# EAGLE board Mk4 Final a Panel score (EAGLE 9.0.1), part 12 of 24 (continued)
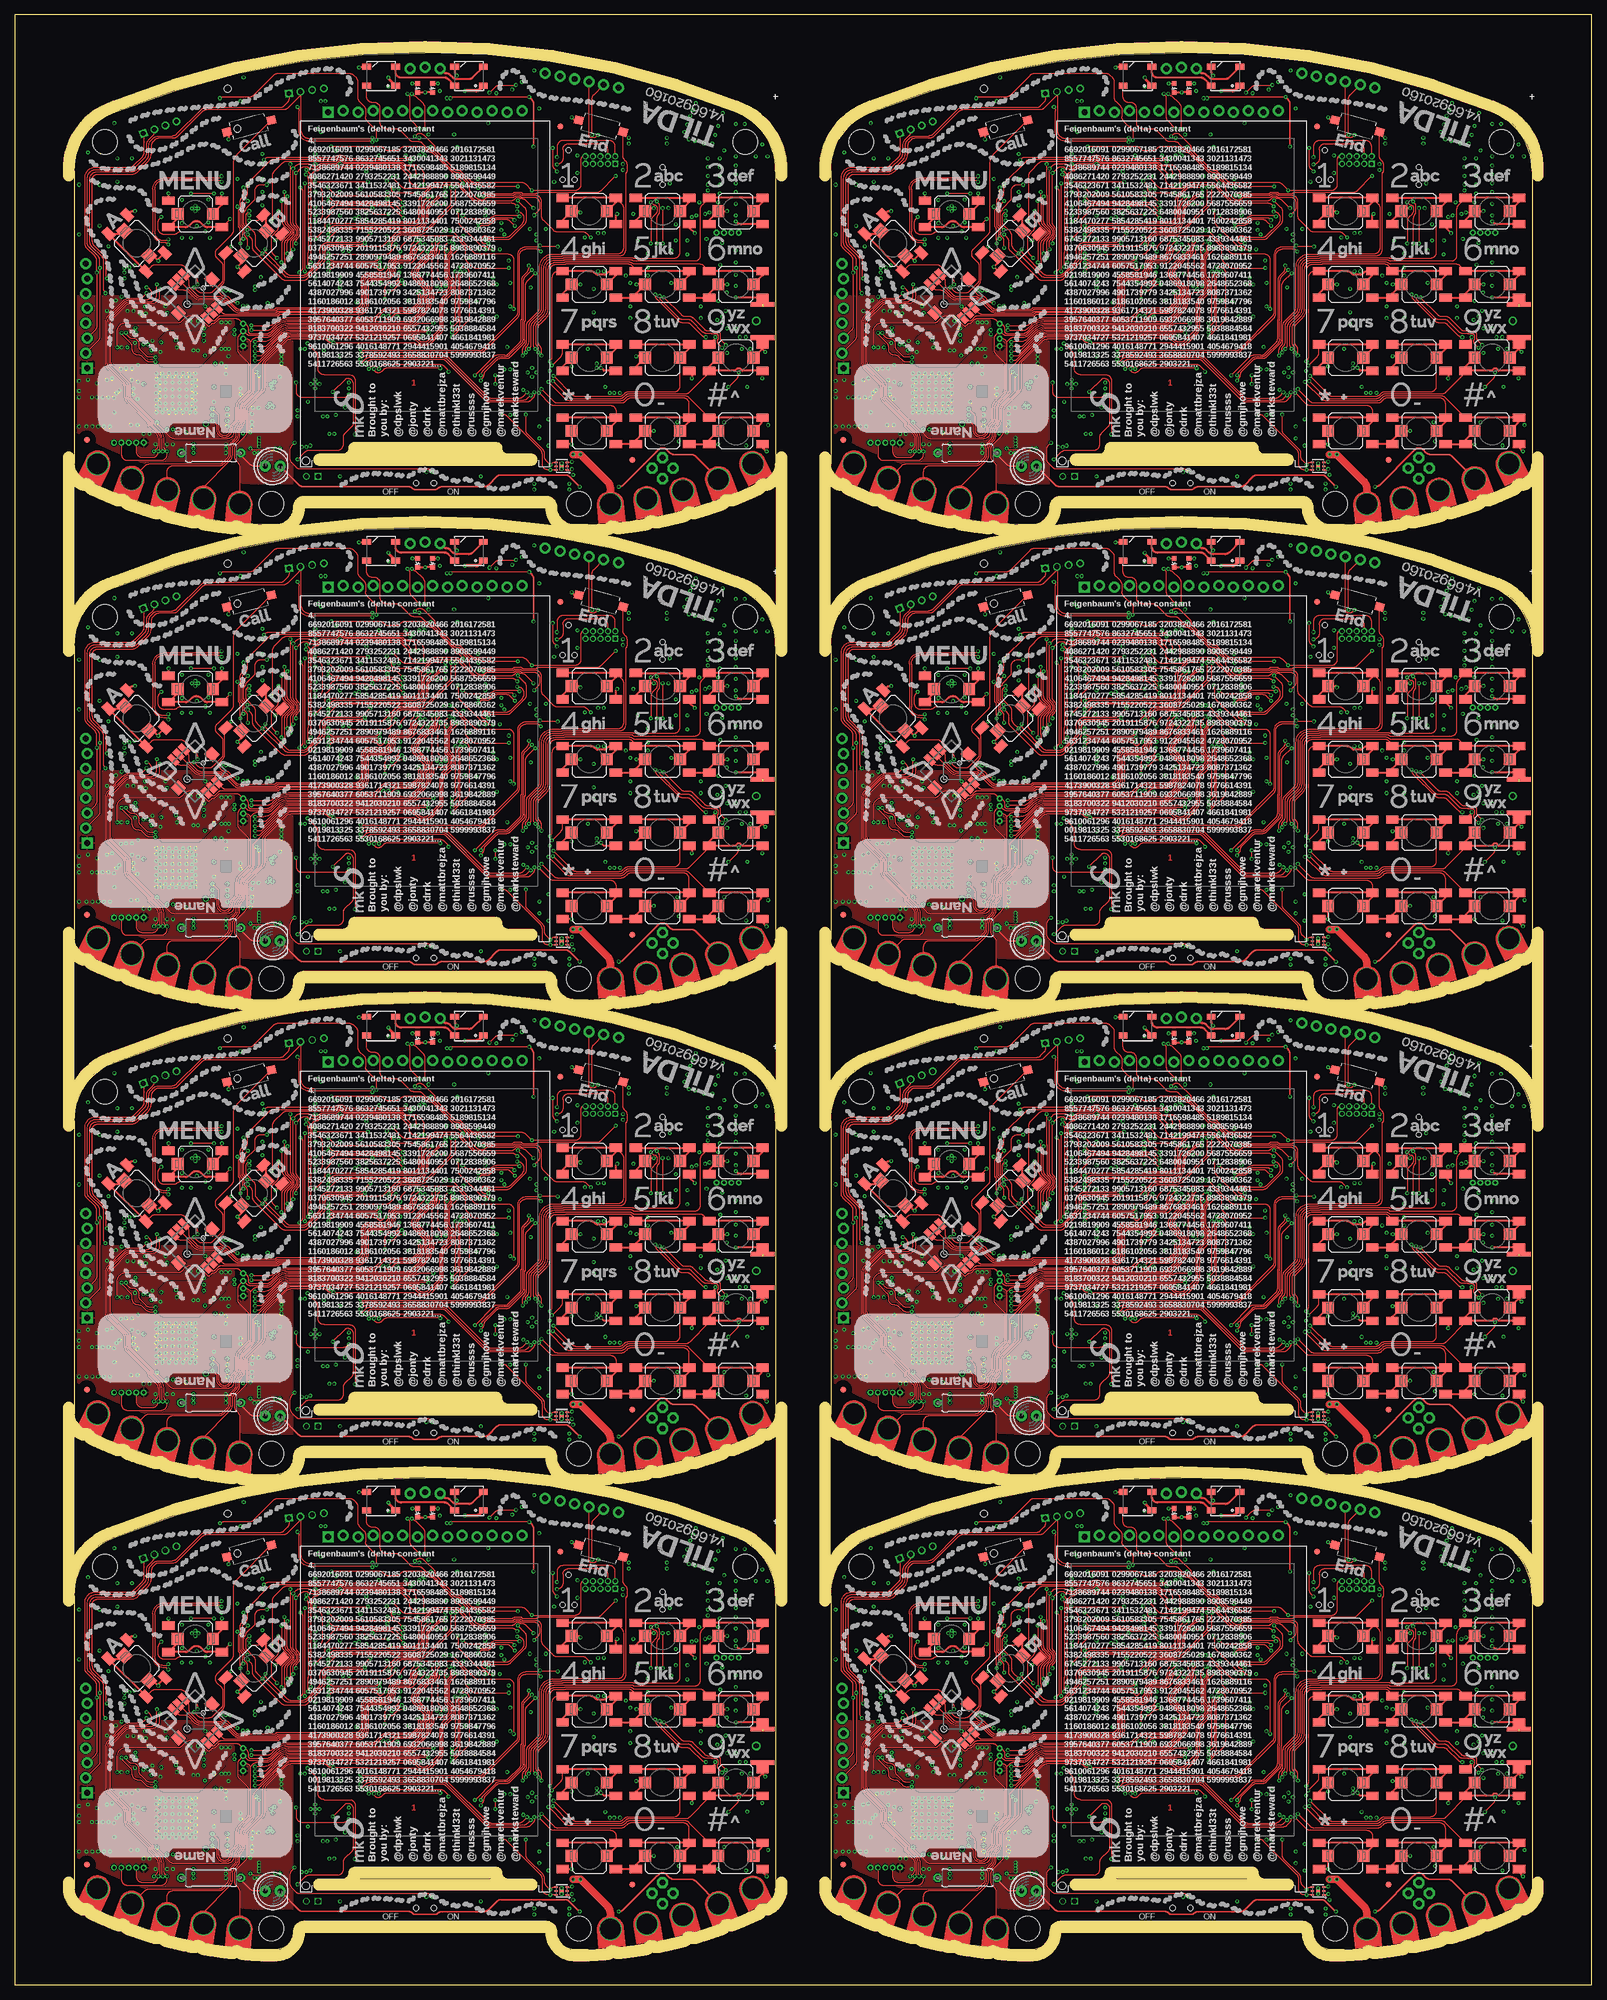
[diagram p0: board, top side]
## Tracks (layer width: path | path; a pad name or v marks a point on that pad's centre or on a via) (continued)
GND6  (via drill 0.3)  (1 unrouted)
  Top 0.15: IC124.3 94.3,259.65 94.25,259.6 IC124.2 | v93.3,258.5 IC124.PAD v93.3,259.5
  Top 0.2: 94.3,259.65 94.95,259.65 v95.05,259.75
  Top 0.3: S133.1 105.95,275.95 S133.A1 | S129.A1 93.45,275.95 S129.1 v95,276 | S130.A1 93.45,263 93.7,262.75 v95,262.75 S130.1 | S138.1 118.45,263.45 S138.A1 | S137.1 127.55,279.05 S137.A1 | 118.45,300.5 118.45,300.95 S135.1 v121.5,302.5 | 118.45,300.5 S135.A1 | S131.A1 105.95,300.95 S131.1 108,303 v109,303 | S127.A1 93.45,300.95 S127.1 96.25,302.5 v96.5,302.25 | S128.A1 93.45,288.45 S128.1 v96.5,290 | 105.95,288 105.95,288.45 S132.1 v106.05,290 | 105.95,288 S132.A1 | S127.A2 102.55,301.8 v102.75,302 | 118.2,300.25 118.45,300.5 | S136.A2 v123,287.75 | v121.5,290 S136.1 118.45,288.45 S136.A1 S132.A2 | 102.5,275.3 S129.A2 100.5,275.25 v100,275.75 | S133.1 107,278 | S138.A2 127.5,262.75 127.5,262.25 v128.25,261.5 | S134.A2 S138.A1 | v109,265 S134.1 105.95,263.45 S134.A1 S130.A2 | S128.A2 105.7,287.75 105.95,288 | S143.1 95.49,318.01 v95,318.5 | LED39.C v70.03,322.75 LED40.C | LED37.3 59.95,327 v58.75,327 | S135.A2 123.91,300.25 arc-45 123.21,300.54 v123,300.75 | 25.61,295.39 S140.A1 24.5,294.26 v24.5,294 23.62,294.88 S140.1 | S140.A2 19.57,302.21 arc-45 20.28,302.5 v20.5,302.5 | S138.A1 v120,262.75 | S131.A2 115.05,299.7 v116,298.75 | S133.1 107.25,277.75 v106,277.75 | S133.A2 115.5,274.8 v115.5,274 | S141.A2 v26.25,305.5 | S141.1 35.35,303.55 S141.A1 v35.35,305.5 | S142.1 36.5,315.72 v36.5,314.75 | S139.A1 38.81,292.19 v38,293 38.68,293.68 S139.1 | v44.5,297.5 45.61,298.61 S139.A2 | LED38.3 75.05,326.36 arc45 75.34,325.66 v75.4,325.6 | S137.A2 119.5,280.8 v119.5,281 | S137.A1 127.55,278.95 v128,278.5 | S137.A1 127.53,279.76 J69.G@4
  Top 0.4: S136.A2 127.53,287.74 J69.G@3
  GND@3 0.4: v32.45,277.85 29.8,275.2 v29.8,274.85 | v27.5,280.5 26.75,279.75 26.75,275.6 v27.5,274.85 | v25,280.1 25.75,279.35 25.75,275.4 v26.3,274.85
  Bottom 0.15: J61.32 66.75,287.25 | J61.31 67.25,287 | J61.30 67.75,287 | J61.29 68.25,287 | J61.28 68.75,287 | J61.27 69.25,287 | J61.26 69.75,287 | J61.25 70.25,287 | J61.24 70.75,287 | J61.23 71.25,287 | J61.22 71.75,287 | J61.21 72.25,287 | J61.20 72.75,287 | J61.19 73.25,287 | J61.18 73.75,287 | J61.17 74.25,287 | J61.16 74.75,287 | J61.15 75.25,287 | J61.14 75.75,287 | J61.13 76.25,287 | J61.12 76.75,287 | J61.11 77.25,287 | IC110.58 v63.6,305.8 | IC110.55 v63.6,304.6 | IC113.3 85.05,323 v84.85,323.2 | ANT14.3 116.79,320.9 v116.15,320.9 | v115.7,319.75 115.8,319.65 115.94,319.65 115.84,319.75 v115.7,319.75 | ANT14.2 116.05,319.4 v115.7,319.75 | ANT14.4 120.28,319.2 v120.75,319.2 | IC119.PAD v28.1,272.1 | IC119.PAD v26.9,272.1 | IC119.PAD v26.9,270.9 | IC119.PAD v28.1,270.9 | v26.9,273.3 27.5,273.9 v27.5,274.85 | v26.3,274.85 26.3,273.9 v25.7,273.3 25.75,273.35 | v29.3,273.3 29.3,274.35 v29.8,274.85 | v85.5,267.75 C750.2 86,268.5 arc90 86.5,269 86.5,269.5 arc90 86,270 IC122.2 85.46,270 arc45 85.1,269.85 84.9,269.65 arc-45 84.54,269.5 IC122.4 | C752.2 94.45,259.5 | v111.25,315 C701.2 | C704.2 v111.25,314 | C702.2 v104.75,315 | C700.2 v104.75,314 | v28.55,304.4 28.25,304.7 R545.2
  Bottom 0.2: C663.1 72.6,292.85 IC110.10 | IC110.17 69.8,293.01 arc-45 69.65,292.65 C662.1 v69.5,291.75 | IC110.48 61.46,301.8 arc-45 C660.1 | IC110.114 78.74,301.4 arc45 79.44,301.69 C659.1 | IC110.80 69.8,311.05 69.97,311.23 | X28.4 17.88,270.43 17.7,270.6 v16.9,270.6 | X28.2 19.73,266.07 v19.8,266 | IC121.23 85.8,275.75 arc-45 85.66,275.81 85.25,276.22 arc-90 85.25,276.25 | 85.25,276.25 v85.25,276.5 | IC121.24 85.25,276.25 | IC121.18 87,272.25 v86.75,272 | IC121.9 v91.25,275.25 | IC114.17 50.5,270.5 v50,270 IC114.18 | J64.GND4 121,265.05 | 94.45,259.5 arc45 v95.05,259.75 | v35.3,306.5 C754.2 | IC116.4 91.97,306.73 C719.1
  Bottom 0.25: J61.50 57.75,286.45 v58.25,286.95 | J61.49 v58.25,286.95 | J61.48 58.75,286.45 v58.25,286.95 | J61.43 61.25,287 | J61.6 v79.75,284.5 | v72,289.75 72,290.62 C664.1 72.25,291.12 C663.1 | v60,302.1 C660.1 | v80.25,301.75 C659.1 | v70,312 C661.1 69.97,311.23 | C658.1 C666.1 v71,313.45 | v59,306.25 R477.2 | C665.1 69.05,313.25 v69.65,312.65 | v79.5,257.25 S145.1 | v55.5,257.25 S146.1 | C669.1 v66.7,312 | C668.1 v62.1,312 | v75.5,313.45 C667.1 | R539.2 v29.25,264.75 | v31.35,302.95 IC118.PAD v30.8,302.5 | C684.2 42.88,264.23 | v89.45,320 C655.1 | v72.5,323 C653.1
  Bottom 0.3: 81.45,323.3 v82.15,322.6 | v36,276 R538.2 | v18.25,279.25 C727.1 | v20.5,280 20.62,279.88 C732.2 | v100.5,292.25 C710.2 | v99.5,292.25 C707.2 | v100.5,298.75 C706.2 | C708.2 v99.5,298.75 | IC111.8 104.1,291.65 v104.25,291.5 | R512.2 v98.75,289.25 | R504.2 v98.75,283.25 | R511.2 v98.75,285.25 | IC111.13 106.1,297.65 v106.25,297.5 | IC111.21 114.9,297.65 v114.75,297.5 | Q27.2 98.65,279.15 R502.2 v97.75,279 | C719.1 v92,307.5 | v96,309 95.91,309.09 JP55.5 | C712.1 v103.75,310.5 | IC117.7 97.19,298.81 R523.1 v97.25,298 | v105.5,302 C697.1 | v109,303 108.5,302.5 C696.1 | C695.1 v111.5,303 | J64.GND3 115.21,275.06 arc-45 115.5,274.36 v115.5,274 | 127.38,277.5 J64.GND2 127.5,277.59 arc-45 127.79,278.29 v128,278.5 | 128.17,275 J64.C4 127.79,274.74 arc45 127.5,274.04 v127.5,274 | v128.5,266 128.38,266 J64.GND1 | v113.25,263.25 R527.2 114.92,263.25 Q26.2 | C698.1 v124.75,262.5 | J64.C5 120.85,266.65 v121,266.5 121,265.05 | v113,266.5 113.23,266.27 114.25,266.27 J64.GND6 | C652.1 v80.25,296 | C657.1 v83,299.25 | C656.1 v83,300.5 | Q25.4 Q25.EP2 | C678.1 v55.5,291.25 | IC109.28 41.07,291.25 v42,291.25 | C674.1 v38,303.25 | IC109.46 42.2,305.7 v42.25,305.75 | C677.1 v38,308 | IC109.54 41.89,312.1 arc45 v42.25,312.25 | IC109.52 v42.25,310.5 | C676.1 v54.75,312.75 | C672.1 v55.5,310.5 | IC109.6 51.4,308.1 v51.25,308.25 | C673.1 v55.5,305.75 | C675.1 v55.5,301.75 | R487.1 v57,272.25 | R489.2 v57,273.25 | R491.2 52.15,278.5 arc45 v52.75,278.75 | v36,289 C693.1 | v36.75,289 36.75,288.5 C693.1 | v35.25,289 35.25,288.5 C693.1 | IC109.12 51.3,303.3 v51.25,303.25 | R531.2 v19.25,285.45 | R532.2 v20.25,285.45 | R519.2 v89,297.5 | v30.05,297.95 C725.2 | v112.75,297.5 112.7,297.55 IC111.19 112.7,300.2 v112.75,300.25
  Bottom 0.3: R529.2 39.95,264.5 v40.2,264.75 | IC121.25 v87.5,275 | v70.6,315.55 70.67,315.55 X26.4 | X26.2 74.83,315.55 v74.95,315.55 | v86.5,324.5 C670.1 | v88.6,326.5 R481.2 | C654.1 v80.75,317.5 | C711.1 v87.9,299.45 | J66.8 J66.4 | J68.8 J68.4 | IC109.41 40.05,301.7 v40,301.75 | J64.GND5 121.11,277.91 v121.5,278.3 120.94,278.3 arc-45 120.23,278.59 IC115.3 | IC111.33 117.3,283.95 v117,284.25 | v121.45,288.6 C713.1 | v120.7,283.5 D14.2 | v120.7,284.5 C714.1 | v15.75,273.75 C717.1 | v12.5,273.75 C718.1 | 36.55,279.8 C735.2 35.95,279.8 | IC125.2 v94.6,256 | C755.2 v88.6,255 | IC125.3 v94.6,255 | v117,286.25 117.1,286.15 IC111.31
  Bottom 0.35: v36.55,279 36.55,279.8 | v35.95,279 35.95,279.8
  Bottom 0.4: C737.2 32.1,277.5 v32.45,277.85 | v35.25,276.5 C731.2 | v36,274.75 C743.2 | C733.2 32.12,282.62 v32.25,282.5 | C733.2 v31.25,283.75 | v30,283.75 C734.2 C733.2 | C738.2 26.9,279.9 v27.5,280.5 27.4,280.4 | C736.2 v25,280.1 | v23.5,280.4 24.1,279.8 C730.2 | v38.5,271.25 C748.1 | v38.5,272.25 C749.1 | v36.25,267.75 C744.2 | C740.2 v34,270 | C726.1 v25.75,286.25 | C746.1 v20.95,270.5 | C742.2 v20.25,271.25 | C728.2 v20.25,272.25 | C747.1 v20.95,266 | R530.2 v22,264.5 | R533.2 v23,264.5 | R540.2 v24,262.75 | C745.2 v27,262.75 | C739.2 v26,262.75 | v36.5,277.75 C741.2 35.4,278.64 arc45 v35.25,279 | IC120.4 19.12,291.15 arc45 v18.75,291 | v36.25,265.75 R497.2 | v83.5,275.5 C671.1 | v48.25,267.5 48.85,267.5 C691.2 48.85,268.5 v48.25,268.5 | S144.2 69.4,258 v70.25,258 | Q25.EP2 84.4,286.35 v84.5,286.25 | v84.5,290.25 IC112.4 | 46.75,277.75 C692.2 46.38,277.25 v45.5,277.25 | 46.62,278 v45.5,278 | C688.2 45.6,276.4 v45.5,276.5 | v45.25,274.25 45.25,273.32 C689.1 | 11,270.6 v11,270.75 ANT13.4 | ANT13.3 v11,265.75 | ANT13.2 12.25,266.7 v12.25,265.75 | C694.1 v36,262 | C694.1 35.5,262.75 v36,262.75 | C694.1 35.5,261.25 v36,261.25 | J67.4 38.94,320.81 v38.5,321.25 | C651.2 63.88,323.62 v63.75,323.75 | IC126.3 97.26,257.15 arc-45 96.56,257.44 C756.2 95.68,257.68 arc-45 v95.25,257.5 | TP131.TP 41.75,269.1 v41.6,268.95
  Bottom 0.5: v22.35,285.05 22.35,284.5 C729.2 21.35,284.5 v21.35,285.05
  Bottom 1: J62.1 91.05,263.8 C686.2 | C686.2 89.6,263.85 v89.5,263.75 | C686.2 v91,262.5 | v56.35,269 C687.2 54.65,267.85 v54.75,267.75
  other vias: 67.25,287.25 76.75,287.25 60.9,290.15 30.8,303.4 30.25,302.95 120.7,297.1 120.35,293.35 120,317 119.5,315.5 119,314 117.5,314 116,314.5 115,314.75 114.25,316 114.75,317.25 115.25,318.75 25.7,272.1 25.7,270.9 25.7,269.7 26.9,269.7 28.1,269.7 29.3,269.7 29.3,270.9 29.3,272.1 28.1,273.3 21,276.25 21,273.35 17,268.2 16.25,265.75 15.25,265.75 14.25,265.75 13.25,265.75 16,270.75 15,270.75 14,270.75 13.2,270.75 89,275 88.25,275.75 88.25,274.25 99.25,276.5 99.25,275.75 124,279 123,289.75 123,291.65 123,293.75 123,295.75 123,301.75 123,303.75 123,305.75 123,310.25 123,311.85 126.4,311.85 128.4,311.85 51.25,273 52,273 51.25,273.75 51.25,272.25 50.5,273 33.3,297.95 28.55,297.95 28.55,300.45 33.05,300.55 33.05,304.45 41.7,263.85 41.7,263.35 41.7,262.35 41.7,262.85 40.9,261.25 41.6,261.25 40.6,268.95 40.5,267.95 40.5,265.75 40.5,266.55 24.75,272.1 24.75,270.9 24.75,269.7 24.75,273.3 30.25,272.1 30.25,270.9 30.25,269.7 30.25,273.3 25.7,268.75 26.9,268.75 28.1,268.75 29.3,268.75 25.7,274.25 26.9,274.25 28.1,274.25 29.3,274.25 30.25,268.75 30.25,274.25 24.75,274.25 24.75,268.75 28.7,274.85 25.2,274.85 24.15,274.85 24.15,273.8 27.5,268.15 28.7,268.15 29.9,268.15 26.3,268.15 25.2,268.15 30.85,271.45 30.85,270.25 30.85,269.05 30.85,272.65 24.15,271.5 24.15,270.3 24.15,269.2 24.15,272.7 30.85,273.75 30.85,274.85 30.85,268.15 24.15,268.15 124.7,281 123.7,281 125.5,279 120,287.2 14.5,307 14.5,300 17.5,307.5 17.5,311.5 20,311.5 17,317.5 12.5,312.5 11,307 11,298.5 16,296.5 17.25,287.25 11,273.5 108,284.25 105,284.25 105,286.25 105,290.25 112,290.25 114.7,295.1 112,295.75 118,297.75 121.5,282.5 121.25,285.5 123,307.25 123,308.75 121,312.85 123,317.35 127.5,313.85 124.5,317.35 119.85,283.95 123,282.5 16.6,273.95 17.35,271.45 17.85,271.95 20,273.7 19,275.7 20,275.7 18.1,275.6 120.25,311.5 118.25,311.5 120.25,310 118.25,310 120.25,308.5 118.25,308.5 120.25,307 118.25,307 120.25,305.5 118.25,306 116.75,304 116.25,301.75 115.5,301.5 117.75,302 118.5,302.25 120,304 15.75,285.5 14,273.15 11,271.85 108,295.25 108,291.5 108,292.9
  pour GND@3 (isolate 0.254, rank 6): 10.2,311.5 10.2,258 arc31 42,249 44.7,249 arc90 47.5,251.8 arc-90 49.5,253.8 90.5,253.8 arc-90 92.5,251.8 arc90 95.3,249 98,249 arc31 129.8,258 129.8,281.5 123.5,281.5 123.5,311.5 129.8,311.5 arc64 123.25,319.25 arc24 70,329.5 arc24 16.75,319.25 arc55
  pour Bottom (rank 6): 77.25,285.9 77.25,287.25 77,287.5 67,287.5 66.75,287.25 66.75,285.9
  pour Bottom (isolate 0.254, rank 6): 10.2,311.5 10.2,265 arc9 21,260 21,272 23,272 23,278 21,278 21,280 arc90 20,281 19,281 arc-90 18,282 18,302.71 arc-90 30.79,315.5 38.5,315.5 42,319 100.5,318.5 arc-90 103,316 103,281.5 114.09,281.5 arc-45 114.79,281.21 117.21,278.79 arc45 117.91,278.5 129.8,278.5 129.8,281.5 123.5,281.5 123.5,311.5 129.8,311.5 arc64 123.25,319.25 arc24 70,329.5 arc24 16.75,319.25 arc55
  pour Bottom (rank 2, no thermals): 111.5,282 113,282 113,279.5 112.41,279.5 arc45 111.71,279.21 111.29,278.79 arc45 111,278.09 111,276 arc-90 110,275 99.5,275 arc-90 98.5,276 arc-90 99.5,277 107.75,277 arc90 108.75,278 108.75,278.09 arc-45 109.04,278.79 109.71,279.46 arc-45 110.41,279.75 110.59,279.75 arc45 111.29,280.04 111.5,280.25
  pour Bottom (no thermals): 61.5,288.5 61.5,287.2 61.3,287 61.2,287 61,287.2 61,288.25 60.5,288.75 60.5,290.3 60.7,290.5 61.05,290.5 61.25,290.3 61.25,288.75
  pour Bottom: 33.55,297.95 33.55,303.95 arc90 32.55,304.95 29.05,304.95 arc90 28.05,303.95 28.05,297.95 arc90 29.05,296.95 32.55,296.95 arc90
  pour Bottom (no thermals): 47.4,276 47.4,277.1 47.2,277.3 47.2,278.05 47,278.25 45.75,278.25 45.25,277.75 45.25,276.25 45.5,276
  pour Bottom (no thermals): 41.9,263.8 41.9,261.3 arc-90 41.4,260.8 40.45,260.8 arc-90 39.95,261.3 39.95,268.65 arc-90 40.45,269.15 41.55,269.15 arc-90 42.05,268.65 42.05,265.1 arc90 42.55,264.6 43.8,264.6 43.85,264.55 43.85,263.9 43.75,263.8
  pour Top (rank 6): 10.2,288 10.2,265 arc34 47,256 47.5,256 47.5,288
GND7  (via drill 0.3)  (1 unrouted)
  Top 0.15: IC142.3 223.3,259.65 223.25,259.6 IC142.2 | v222.3,258.5 IC142.PAD v222.3,259.5
  Top 0.2: 223.3,259.65 223.95,259.65 v224.05,259.75
  Top 0.3: S154.1 234.95,275.95 S154.A1 | S150.A1 222.45,275.95 S150.1 v224,276 | S151.A1 222.45,263 222.7,262.75 v224,262.75 S151.1 | S159.1 247.45,263.45 S159.A1 | S158.1 256.55,279.05 S158.A1 | 247.45,300.5 247.45,300.95 S156.1 v250.5,302.5 | 247.45,300.5 S156.A1 | S152.A1 234.95,300.95 S152.1 237,303 v238,303 | S148.A1 222.45,300.95 S148.1 225.25,302.5 v225.5,302.25 | S149.A1 222.45,288.45 S149.1 v225.5,290 | 234.95,288 234.95,288.45 S153.1 v235.05,290 | 234.95,288 S153.A1 | S148.A2 231.55,301.8 v231.75,302 | 247.2,300.25 247.45,300.5 | S157.A2 v252,287.75 | v250.5,290 S157.1 247.45,288.45 S157.A1 S153.A2 | 231.5,275.3 S150.A2 229.5,275.25 v229,275.75 | S154.1 236,278 | S159.A2 256.5,262.75 256.5,262.25 v257.25,261.5 | S155.A2 S159.A1 | v238,265 S155.1 234.95,263.45 S155.A1 S151.A2 | S149.A2 234.7,287.75 234.95,288 | S164.1 224.49,318.01 v224,318.5 | LED45.C v199.03,322.75 LED46.C | LED43.3 188.95,327 v187.75,327 | S156.A2 252.91,300.25 arc-45 252.21,300.54 v252,300.75 | 154.61,295.39 S161.A1 153.5,294.26 v153.5,294 152.62,294.88 S161.1 | S161.A2 148.57,302.21 arc-45 149.28,302.5 v149.5,302.5 | S159.A1 v249,262.75 | S152.A2 244.05,299.7 v245,298.75 | S154.1 236.25,277.75 v235,277.75 | S154.A2 244.5,274.8 v244.5,274 | S162.A2 v155.25,305.5 | S162.1 164.35,303.55 S162.A1 v164.35,305.5 | S163.1 165.5,315.72 v165.5,314.75 | S160.A1 167.81,292.19 v167,293 167.68,293.68 S160.1 | v173.5,297.5 174.61,298.61 S160.A2 | LED44.3 204.05,326.36 arc45 204.34,325.66 v204.4,325.6 | S158.A2 248.5,280.8 v248.5,281 | S158.A1 256.55,278.95 v257,278.5 | S158.A1 256.53,279.76 J79.G@4
  Top 0.4: S157.A2 256.53,287.74 J79.G@3
  GND@3 0.4: v161.45,277.85 158.8,275.2 v158.8,274.85 | v156.5,280.5 155.75,279.75 155.75,275.6 v156.5,274.85 | v154,280.1 154.75,279.35 154.75,275.4 v155.3,274.85
  Bottom 0.15: J71.32 195.75,287.25 | J71.31 196.25,287 | J71.30 196.75,287 | J71.29 197.25,287 | J71.28 197.75,287 | J71.27 198.25,287 | J71.26 198.75,287 | J71.25 199.25,287 | J71.24 199.75,287 | J71.23 200.25,287 | J71.22 200.75,287 | J71.21 201.25,287 | J71.20 201.75,287 | J71.19 202.25,287 | J71.18 202.75,287 | J71.17 203.25,287 | J71.16 203.75,287 | J71.15 204.25,287 | J71.14 204.75,287 | J71.13 205.25,287 | J71.12 205.75,287 | J71.11 206.25,287 | IC128.58 v192.6,305.8 | IC128.55 v192.6,304.6 | IC131.3 214.05,323 v213.85,323.2 | ANT16.3 245.79,320.9 v245.15,320.9 | v244.7,319.75 244.8,319.65 244.94,319.65 244.84,319.75 v244.7,319.75 | ANT16.2 245.05,319.4 v244.7,319.75 | ANT16.4 249.28,319.2 v249.75,319.2 | IC137.PAD v157.1,272.1 | IC137.PAD v155.9,272.1 | IC137.PAD v155.9,270.9 | IC137.PAD v157.1,270.9 | v155.9,273.3 156.5,273.9 v156.5,274.85 | v155.3,274.85 155.3,273.9 v154.7,273.3 154.75,273.35 | v158.3,273.3 158.3,274.35 v158.8,274.85 | v214.5,267.75 C858.2 215,268.5 arc90 215.5,269 215.5,269.5 arc90 215,270 IC140.2 214.46,270 arc45 214.1,269.85 213.9,269.65 arc-45 213.54,269.5 IC140.4 | C860.2 223.45,259.5 | v240.25,315 C809.2 | C812.2 v240.25,314 | C810.2 v233.75,315 | C808.2 v233.75,314 | v157.55,304.4 157.25,304.7 R623.2
  Bottom 0.2: C771.1 201.6,292.85 IC128.10 | IC128.17 198.8,293.01 arc-45 198.65,292.65 C770.1 v198.5,291.75 | IC128.48 190.46,301.8 arc-45 C768.1 | IC128.114 207.74,301.4 arc45 208.44,301.69 C767.1 | IC128.80 198.8,311.05 198.97,311.23 | X32.4 146.88,270.43 146.7,270.6 v145.9,270.6 | X32.2 148.72,266.07 v148.8,266 | IC139.23 214.8,275.75 arc-45 214.66,275.81 214.25,276.22 arc-90 214.25,276.25 | 214.25,276.25 v214.25,276.5 | IC139.24 214.25,276.25 | IC139.18 216,272.25 v215.75,272 | IC139.9 v220.25,275.25 | IC132.17 179.5,270.5 v179,270 IC132.18 | J74.GND4 250,265.05 | 223.45,259.5 arc45 v224.05,259.75 | v164.3,306.5 C862.2 | IC134.4 220.97,306.73 C827.1
  Bottom 0.25: J71.50 186.75,286.45 v187.25,286.95 | J71.49 v187.25,286.95 | J71.48 187.75,286.45 v187.25,286.95 | J71.43 190.25,287 | J71.6 v208.75,284.5 | v201,289.75 201,290.62 C772.1 201.25,291.12 C771.1 | v189,302.1 C768.1 | v209.25,301.75 C767.1 | v199,312 C769.1 198.97,311.23 | C766.1 C774.1 v200,313.45 | v188,306.25 R555.2 | C773.1 198.05,313.25 v198.65,312.65 | v208.5,257.25 S166.1 | v184.5,257.25 S167.1 | C777.1 v195.7,312 | C776.1 v191.1,312 | v204.5,313.45 C775.1 | R617.2 v158.25,264.75 | v160.35,302.95 IC136.PAD v159.8,302.5 | C792.2 171.88,264.23 | v218.45,320 C763.1 | v201.5,323 C761.1
  Bottom 0.3: 210.45,323.3 v211.15,322.6 | v165,276 R616.2 | v147.25,279.25 C835.1 | v149.5,280 149.62,279.88 C840.2 | v229.5,292.25 C818.2 | v228.5,292.25 C815.2 | v229.5,298.75 C814.2 | C816.2 v228.5,298.75 | IC129.8 233.1,291.65 v233.25,291.5 | R590.2 v227.75,289.25 | R582.2 v227.75,283.25 | R589.2 v227.75,285.25 | IC129.13 235.1,297.65 v235.25,297.5 | IC129.21 243.9,297.65 v243.75,297.5 | Q31.2 227.65,279.15 R580.2 v226.75,279 | C827.1 v221,307.5 | v225,309 224.91,309.09 JP64.5 | C820.1 v232.75,310.5 | IC135.7 226.19,298.81 R601.1 v226.25,298 | v234.5,302 C805.1 | v238,303 237.5,302.5 C804.1 | C803.1 v240.5,303 | J74.GND3 244.21,275.06 arc-45 244.5,274.36 v244.5,274 | 256.38,277.5 J74.GND2 256.5,277.59 arc-45 256.79,278.29 v257,278.5 | 257.17,275 J74.C4 256.79,274.74 arc45 256.5,274.04 v256.5,274 | v257.5,266 257.38,266 J74.GND1 | v242.25,263.25 R605.2 243.93,263.25 Q30.2 | C806.1 v253.75,262.5 | J74.C5 249.85,266.65 v250,266.5 250,265.05 | v242,266.5 242.23,266.27 243.25,266.27 J74.GND6 | C760.1 v209.25,296 | C765.1 v212,299.25 | C764.1 v212,300.5 | Q29.4 Q29.EP2 | C786.1 v184.5,291.25 | IC127.28 170.07,291.25 v171,291.25 | C782.1 v167,303.25 | IC127.46 171.2,305.7 v171.25,305.75 | C785.1 v167,308 | IC127.54 170.89,312.1 arc45 v171.25,312.25 | IC127.52 v171.25,310.5 | C784.1 v183.75,312.75 | C780.1 v184.5,310.5 | IC127.6 180.4,308.1 v180.25,308.25 | C781.1 v184.5,305.75 | C783.1 v184.5,301.75 | R565.1 v186,272.25 | R567.2 v186,273.25 | R569.2 181.15,278.5 arc45 v181.75,278.75 | v165,289 C801.1 | v165.75,289 165.75,288.5 C801.1 | v164.25,289 164.25,288.5 C801.1 | IC127.12 180.3,303.3 v180.25,303.25 | R609.2 v148.25,285.45 | R610.2 v149.25,285.45
  Bottom 0.3: R597.2 v218,297.5 | v159.05,297.95 C833.2 | v241.75,297.5 241.7,297.55 IC129.19 241.7,300.2 v241.75,300.25 | R607.2 168.95,264.5 v169.2,264.75 | IC139.25 v216.5,275 | v199.6,315.55 199.68,315.55 X30.4 | X30.2 203.82,315.55 v203.95,315.55 | v215.5,324.5 C778.1 | v217.6,326.5 R559.2 | C762.1 v209.75,317.5 | C819.1 v216.9,299.45 | J76.8 J76.4 | J78.8 J78.4 | IC127.41 169.05,301.7 v169,301.75 | J74.GND5 250.11,277.91 v250.5,278.3 249.94,278.3 arc-45 249.23,278.59 IC133.3 | IC129.33 246.3,283.95 v246,284.25 | v250.45,288.6 C821.1 | v249.7,283.5 D16.2 | v249.7,284.5 C822.1 | v144.75,273.75 C825.1 | v141.5,273.75 C826.1 | 165.55,279.8 C843.2 164.95,279.8 | IC143.2 v223.6,256 | C863.2 v217.6,255 | IC143.3 v223.6,255 | v246,286.25 246.1,286.15 IC129.31
  Bottom 0.35: v165.55,279 165.55,279.8 | v164.95,279 164.95,279.8
  Bottom 0.4: C845.2 161.1,277.5 v161.45,277.85 | v164.25,276.5 C839.2 | v165,274.75 C851.2 | C841.2 161.12,282.62 v161.25,282.5 | C841.2 v160.25,283.75 | v159,283.75 C842.2 C841.2 | C846.2 155.9,279.9 v156.5,280.5 156.4,280.4 | C844.2 v154,280.1 | v152.5,280.4 153.1,279.8 C838.2 | v167.5,271.25 C856.1 | v167.5,272.25 C857.1 | v165.25,267.75 C852.2 | C848.2 v163,270 | C834.1 v154.75,286.25 | C854.1 v149.95,270.5 | C850.2 v149.25,271.25 | C836.2 v149.25,272.25 | C855.1 v149.95,266 | R608.2 v151,264.5 | R611.2 v152,264.5 | R618.2 v153,262.75 | C853.2 v156,262.75 | C847.2 v155,262.75 | v165.5,277.75 C849.2 164.4,278.64 arc45 v164.25,279 | IC138.4 148.12,291.15 arc45 v147.75,291 | v165.25,265.75 R575.2 | v212.5,275.5 C779.1 | v177.25,267.5 177.85,267.5 C799.2 177.85,268.5 v177.25,268.5 | S165.2 198.4,258 v199.25,258 | Q29.EP2 213.4,286.35 v213.5,286.25 | v213.5,290.25 IC130.4 | 175.75,277.75 C800.2 175.38,277.25 v174.5,277.25 | 175.62,278 v174.5,278 | C796.2 174.6,276.4 v174.5,276.5 | v174.25,274.25 174.25,273.32 C797.1 | 140,270.6 v140,270.75 ANT15.4 | ANT15.3 v140,265.75 | ANT15.2 141.25,266.7 v141.25,265.75 | C802.1 v165,262 | C802.1 164.5,262.75 v165,262.75 | C802.1 164.5,261.25 v165,261.25 | J77.4 167.94,320.81 v167.5,321.25 | C759.2 192.88,323.62 v192.75,323.75 | IC144.3 226.26,257.15 arc-45 225.56,257.44 C864.2 224.68,257.68 arc-45 v224.25,257.5 | TP150.TP 170.75,269.1 v170.6,268.95
  Bottom 0.5: v151.35,285.05 151.35,284.5 C837.2 150.35,284.5 v150.35,285.05
  Bottom 1: J72.1 220.05,263.8 C794.2 | C794.2 218.6,263.85 v218.5,263.75 | C794.2 v220,262.5 | v185.35,269 C795.2 183.65,267.85 v183.75,267.75
  other vias: 196.25,287.25 205.75,287.25 189.9,290.15 159.8,303.4 159.25,302.95 249.7,297.1 249.35,293.35 249,317 248.5,315.5 248,314 246.5,314 245,314.5 244,314.75 243.25,316 243.75,317.25 244.25,318.75 154.7,272.1 154.7,270.9 154.7,269.7 155.9,269.7 157.1,269.7 158.3,269.7 158.3,270.9 158.3,272.1 157.1,273.3 150,276.25 150,273.35 146,268.2 145.25,265.75 144.25,265.75 143.25,265.75 142.25,265.75 145,270.75 144,270.75 143,270.75 142.2,270.75 218,275 217.25,275.75 217.25,274.25 228.25,276.5 228.25,275.75 253,279 252,289.75 252,291.65 252,293.75 252,295.75 252,301.75 252,303.75 252,305.75 252,310.25 252,311.85 255.4,311.85 257.4,311.85 180.25,273 181,273 180.25,273.75 180.25,272.25 179.5,273 162.3,297.95 157.55,297.95 157.55,300.45 162.05,300.55 162.05,304.45 170.7,263.85 170.7,263.35 170.7,262.35 170.7,262.85 169.9,261.25 170.6,261.25 169.6,268.95 169.5,267.95 169.5,265.75 169.5,266.55 153.75,272.1 153.75,270.9 153.75,269.7 153.75,273.3 159.25,272.1 159.25,270.9 159.25,269.7 159.25,273.3 154.7,268.75 155.9,268.75 157.1,268.75 158.3,268.75 154.7,274.25 155.9,274.25 157.1,274.25 158.3,274.25 159.25,268.75 159.25,274.25 153.75,274.25 153.75,268.75 157.7,274.85 154.2,274.85 153.15,274.85 153.15,273.8 156.5,268.15 157.7,268.15 158.9,268.15 155.3,268.15 154.2,268.15 159.85,271.45 159.85,270.25 159.85,269.05 159.85,272.65 153.15,271.5 153.15,270.3 153.15,269.2 153.15,272.7 159.85,273.75 159.85,274.85 159.85,268.15 153.15,268.15 253.7,281 252.7,281 254.5,279 249,287.2 143.5,307 143.5,300 146.5,307.5 146.5,311.5 149,311.5 146,317.5 141.5,312.5 140,307 140,298.5 145,296.5 146.25,287.25 140,273.5 237,284.25 234,284.25 234,286.25 234,290.25 241,290.25 243.7,295.1 241,295.75 247,297.75 250.5,282.5 250.25,285.5 252,307.25 252,308.75 250,312.85 252,317.35 256.5,313.85 253.5,317.35 248.85,283.95 252,282.5 145.6,273.95 146.35,271.45 146.85,271.95 149,273.7 148,275.7 149,275.7 147.1,275.6 249.25,311.5 247.25,311.5 249.25,310 247.25,310 249.25,308.5 247.25,308.5 249.25,307 247.25,307 249.25,305.5 247.25,306 245.75,304 245.25,301.75 244.5,301.5 246.75,302 247.5,302.25 249,304 144.75,285.5 143,273.15 140,271.85 237,295.25 237,291.5 237,292.9
  pour GND@3 (isolate 0.254, rank 6): 139.2,311.5 139.2,258 arc31 171,249 173.7,249 arc90 176.5,251.8 arc-90 178.5,253.8 219.5,253.8 arc-90 221.5,251.8 arc90 224.3,249 227,249 arc31 258.8,258 258.8,281.5 252.5,281.5 252.5,311.5 258.8,311.5 arc64 252.25,319.25 arc24 199,329.5 arc24 145.75,319.25 arc55
  pour Bottom (rank 6): 206.25,285.9 206.25,287.25 206,287.5 196,287.5 195.75,287.25 195.75,285.9
  pour Bottom (isolate 0.254, rank 6): 139.2,311.5 139.2,265 arc9 150,260 150,272 152,272 152,278 150,278 150,280 arc90 149,281 148,281 arc-90 147,282 147,302.71 arc-90 159.79,315.5 167.5,315.5 171,319 229.5,318.5 arc-90 232,316 232,281.5 243.09,281.5 arc-45 243.79,281.21 246.21,278.79 arc45 246.91,278.5 258.8,278.5 258.8,281.5 252.5,281.5 252.5,311.5 258.8,311.5 arc64 252.25,319.25 arc24 199,329.5 arc24 145.75,319.25 arc55
  pour Bottom (rank 2, no thermals): 240.5,282 242,282 242,279.5 241.41,279.5 arc45 240.71,279.21 240.29,278.79 arc45 240,278.09 240,276 arc-90 239,275 228.5,275 arc-90 227.5,276 arc-90 228.5,277 236.75,277 arc90 237.75,278 237.75,278.09 arc-45 238.04,278.79 238.71,279.46 arc-45 239.41,279.75 239.59,279.75 arc45 240.29,280.04 240.5,280.25
  pour Bottom (no thermals): 190.5,288.5 190.5,287.2 190.3,287 190.2,287 190,287.2 190,288.25 189.5,288.75 189.5,290.3 189.7,290.5 190.05,290.5 190.25,290.3 190.25,288.75
  pour Bottom: 162.55,297.95 162.55,303.95 arc90 161.55,304.95 158.05,304.95 arc90 157.05,303.95 157.05,297.95 arc90 158.05,296.95 161.55,296.95 arc90
  pour Bottom (no thermals): 176.4,276 176.4,277.1 176.2,277.3 176.2,278.05 176,278.25 174.75,278.25 174.25,277.75 174.25,276.25 174.5,276
  pour Bottom (no thermals): 170.9,263.8 170.9,261.3 arc-90 170.4,260.8 169.45,260.8 arc-90 168.95,261.3 168.95,268.65 arc-90 169.45,269.15 170.55,269.15 arc-90 171.05,268.65 171.05,265.1 arc90 171.55,264.6 172.8,264.6 172.85,264.55 172.85,263.9 172.75,263.8